# Altium PCB Kasli-DIOT.PCBDOC (part 2 of 21) (continued)
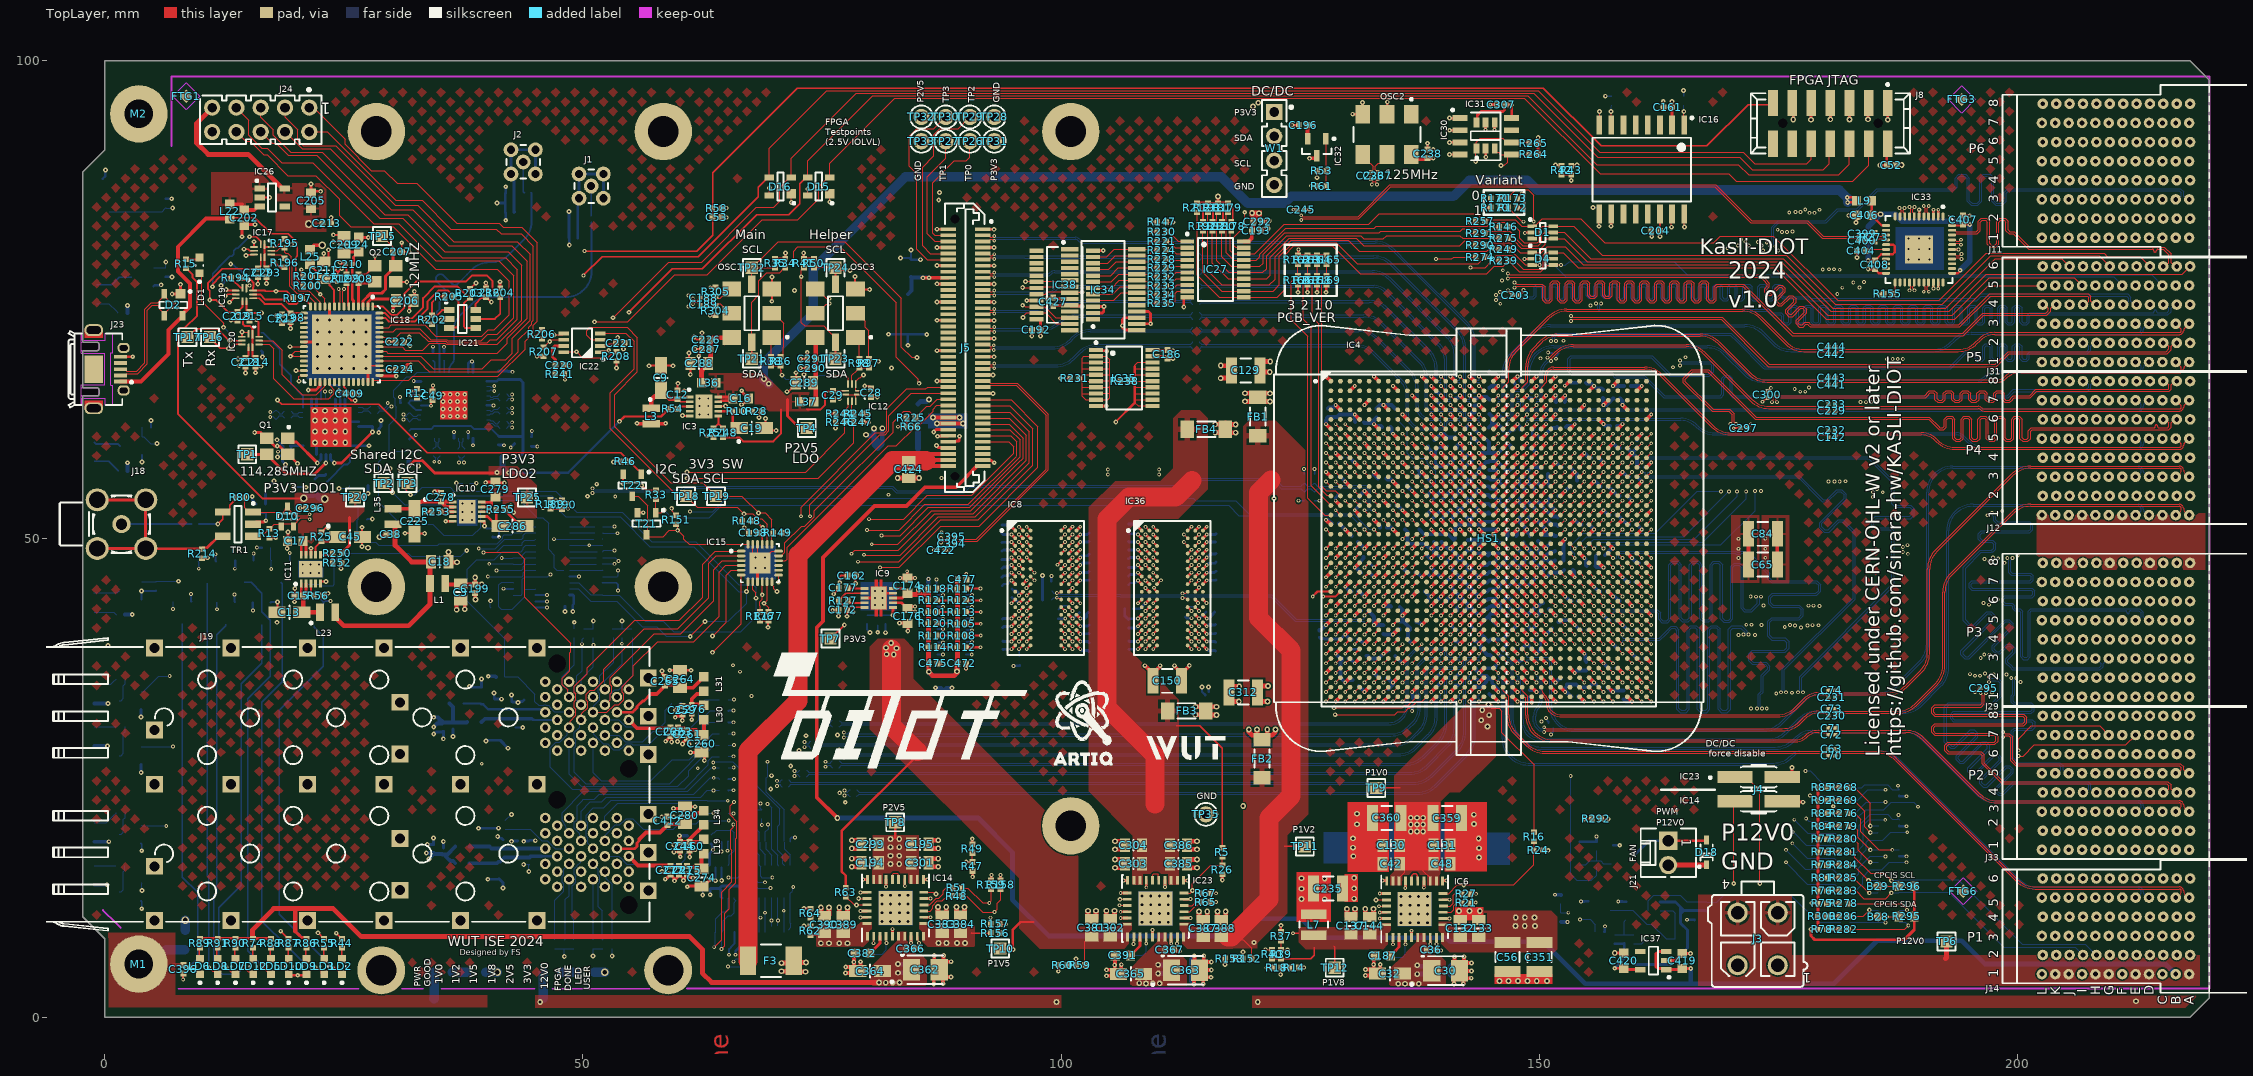
[diagram p0: TopLayer view]
## Components (designator, comment, footprint, x,y, rotation, side; value= is the part's Value field where it differs from the comment) (continued)
C251 "100nF" CAPC0603X33N#1 71.165,24.1 r0 bottom
C252 "100nF" CAPC0603X33N#1 73.025,25.836 r0 bottom
C253 "100nF" CAPC0603X33N#1 73.025,25.136 r0 bottom
C254 "100nF" CAPC0603X33N#1 76.415,31.044 r0 bottom
C255 "100nF" CAPC0603X33N#1 76.415,30.343 r0 bottom
C256 "100nF" CAPC0603X33N#1 76.415,26.796 r0 bottom
C257 "100nF" CAPC0603X33N#1 76.415,26.096 r0 bottom
C258 "100nF" CAPC0603X33N#1 180.575,32.25 r180 bottom
C259 "1uF" CAPC1005X55N 60.4,32.1 r90 top
C260 "10uF" CAPC2012X95N 62.4,28.6 r90 top
C261 "1uF" CAPC1005X55N 60.9,29.6 r90 top
C262 "100nF" CAPC1005X55N 59.15,29.85 r90 top
C263 "100nF" CAPC1005X55N 59.95,29.85 r90 top
C264 "10uF" CAPC2012X95N 60.15,35.35 r270 top
C265 "100nF" CAPC1005X55N 58.6,35.1 r270 top
C266 "100nF" CAPC1005X55N 35.4,17.35 r270 bottom
C267 "1uF" CAPC1005X55N 34.4,17.6 r270 bottom
C268 "10uF" CAPC2012X95N 40.15,18.85 r270 bottom
C269 "1uF" CAPC1005X55N 41.65,18.1 r270 bottom
C270 "100nF" CAPC1005X55N 43.15,18.1 r270 bottom
C271 "100nF" CAPC1005X55N 44.4,18.1 r270 bottom
C272 "10uF" CAPC2012X95N 41.15,15.35 r90 bottom
C273 "100nF" CAPC1005X55N 44.4,16.35 r90 bottom
C274 "10uF" CAPC2012X95N 62.4,14.6 r90 top
C275 "1uF" CAPC1005X55N 60.9,15.35 r90 top
C276 "100nF" CAPC1005X55N 61.374,32.193 r90 top
C277 "100nF" CAPC1005X55N 59.15,15.35 r90 top
C278 "4.7uF" CAPC1005X55N 35.15,54.35 r270 top
C279 "22uF" CAPC1709X100N 40.85,55.175 r270 top
C280 "10uF" CAPC2012X95N 60.65,21.1 r270 top
C281 "100nF" CAPC1005X55N 60.045,15.357 r90 top
C282 "100nF" CAPC0603X33N#1 78.275,27.75 r0 bottom
C283 "100nF" CAPC0603X33N#1 78.275,27.05 r0 bottom
C284 "100nF" CAPC0603X33N#1 78.275,29.847 r0 bottom
C285 "100nF" CAPC0603X33N#1 78.275,29.147 r0 bottom
C286 "22uF" CAPMP3216X180N 42.65,51.35 r0 top
C287 "1nF" CAPC1005X55N 62.9,69.85 r0 top
C288 "4.7uF" CAPC2012X135N 62.15,68.35 r0 top
C289 "4.7uF" CAPC2012X135N 73.15,66.35 r0 top
C290 "1nF" CAPC1005X55N 73.9,67.85 r0 top
C291 "1nF" CAPC1005X55N 73.9,68.85 r0 top
C292 "4.7uF" CAPC1005X55N 120.564,83.188 r180 top
C293 "100nF" CAPC1005X55N 16.925,77.851 r90 top
C295 "100nF" CAPC0603X33N#1 196.475,34.4 r0 top
C296 "100nF" CAPC1005X55N 21.5,53.234 r180 top
C297 "100nF" CAPC0603X33N#1 171.375,61.6 r180 top
C298 "100nF" CAPC1005X55N 37.8,55.85 r180 bottom
C299 "22uF" CAPC2012X135N 80.025,18.075 r0 top
C300 "100nF" CAPC0603X33N#1 173.842,65.102 r270 top
C301 "22uF" CAPC2012X135N 85.225,16.15 r180 top
C302 "22uF" CAPC2012X135N 105.125,9.35 r270 top
C303 "22uF" CAPC2012X135N 107.55,16.05 r0 top
C304 "22uF" CAPC2012X135N 107.55,17.975 r0 top
C305 "100nF" CAPC1005X55N 48.587,43.067 r0 bottom
C306 "100nF" CAPC1005X55N 62.875,13.425 r0 bottom
C307 "100nF" CAPC1005X55N 146.004,95.403 r0 top
C308 "470nF" CAPC0603X33N#1 157.7,41.487 r180 bottom
C309 "470nF" CAPC0603X33N#1 128.7,51.6 r180 bottom
C310 "470nF" CAPC0603X33N#1 128.675,56.5 r0 bottom
C311 "470nF" CAPC0603X33N#1 152.75,57.5 r180 bottom
C312 "100uF" CAPC3225X270N 119.05,33.95 r0 top
C313 "4.7uF" CAPC1005X55N 152.075,48.725 r180 bottom
C314 "4.7uF" CAPC1005X55N 151.925,51.775 r90 bottom
C315 "470nF" CAPC0603X33N#1 134.2,33.95 r270 bottom
C316 "470nF" CAPC0603X33N#1 133.7,35.475 r180 bottom
C317 "470nF" CAPC0603X33N#1 136.8,33 r90 bottom
C318 "470nF" CAPC0603X33N#1 129.7,37.5 r180 bottom
C319 "22uF" CAPC1608X90N 144.775,63.825 r270 bottom
C320 "22uF" CAPC1608X90N 144.702,38.5 r90 bottom
C321 "22uF" CAPC1608X90N 144.75,66.775 r270 bottom
C322 "470nF" CAPC0603X33N#1 143.202,39 r270 bottom
C323 "100nF" CAPC0603X33N#1 147.7,38.5 r180 bottom
C324 "100nF" CAPC0603X33N#1 146.2,38 r270 bottom
C325 "100nF" CAPC0603X33N#1 148.7,40.5 r180 bottom
C326 "100nF" CAPC0603X33N#1 146.7,40.5 r180 bottom
C327 "100nF" CAPC0603X33N#1 143.7,40.5 r0 bottom
C328 "22nF" CAPC0603X33N#1 149,33.85 r90 bottom
C329 "22nF" CAPC0603X33N#1 145.7,36.5 r0 bottom
C330 "22nF" CAPC0603X33N#1 141.7,40.5 r0 bottom
C331 "22nF" CAPC0603X33N#1 141.2,39 r270 bottom
C332 "22uF" CAPC1608X90N 144.7,60.9 r90 bottom
C333 "470nF" CAPC0603X33N#1 141.2,65 r90 bottom
C334 "100nF" CAPC0603X33N#1 139.2,65 r270 bottom
C335 "100nF" CAPC0603X33N#1 146.2,63 r90 bottom
C336 "100nF" CAPC0603X33N#1 143.2,65 r90 bottom
C337 "100nF" CAPC0603X33N#1 143.2,63.6 r90 bottom
C338 "100nF" CAPC0603X33N#1 149.7,61.5 r180 bottom
C339 "22uF" CAPC1608X90N 141.8,49.9 r180 bottom
C340 "470nF" CAPC0603X33N#1 141.7,59.5 r180 bottom
C341 "100nF" CAPC0603X33N#1 146.7,59.5 r0 bottom
C342 "100nF" CAPC0603X33N#1 148.7,59.5 r180 bottom
C343 "100nF" CAPC0603X33N#1 147.697,61.431 r0 bottom
C344 "100nF" CAPC0603X33N#1 141.2,61 r90 bottom
C345 "100nF" CAPC0603X33N#1 142.6,60.5 r0 bottom
C346 "330uF" CAPMP7343X190N 142.525,17.875 r0 bottom
C347 "22nF" CAPC0603X33N#1 149.2,65 r90 bottom
C348 "22nF" CAPC0603X33N#1 147.7,66.5 r180 bottom
C349 "22nF" CAPC0603X33N#1 146.2,61 r90 bottom
C350 "22nF" CAPC0603X33N#1 142.7,61.5 r180 bottom
C351 "100uF" CAPC3225X270N 149.999,6.29 r90 top
C352 "4.7uF" CAPC1005X55N 144.65,47.825 r90 bottom
C353 "470nF" CAPC0603X33N#1 148.709,55.487 r180 bottom
C354 "100nF" CAPC0603X33N#1 148.725,56.5 r180 bottom
C355 "4.7uF" CAPC1005X55N 144.775,56.75 r270 bottom
C356 "4.7uF" CAPC1005X55N 144.775,53.125 r270 bottom
C357 "4.7uF" CAPC1005X55N 139.4,49.7 r0 bottom
C358 "4.7uF" CAPC1005X55N 140.4,60.125 r270 bottom
C359 "100uF" CAPC3225X270N 140.371,20.819 r180 top
C360 "100uF" CAPC3225X270N 134.05,20.825 r0 top
C361 "4.7uF" CAPC1005X55N 144.775,58.6 r270 bottom
C362 "33uF" CAPMP3528X210N 85.8,4.95 r0 top
C363 "33uF" CAPMP3528X210N 113,4.9 r0 top
C364 "10uF" CAPMP3216X180N 80.025,4.825 r180 top
C365 "10uF" CAPMP3216X180N 107.3,4.525 r180 top
C366 "100nF" CAPC1005X55N 84.275,7.175 r180 top
C367 "100nF" CAPC1005X55N 111.375,7.075 r180 top
C368 "470nF" CAPC0603X33N#1 150.7,46.5 r0 bottom
C369 "470nF" CAPC0603X33N#1 149.675,48.525 r0 bottom
C370 "470nF" CAPC0603X33N#1 150.7,51.5 r180 bottom
C371 "470nF" CAPC0603X33N#1 150.7,53.5 r180 bottom
C372 "470nF" CAPC0603X33N#1 150.7,55.5 r180 bottom
C373 "470nF" CAPC0603X33N#1 140.7,58.488 r0 bottom
C374 "470nF" CAPC0603X33N#1 142.7,58.475 r0 bottom
C375 "470nF" CAPC0603X33N#1 147.7,57.475 r180 bottom
C376 "470nF" CAPC0603X33N#1 146.7,55.475 r180 bottom
C377 "470nF" CAPC0603X33N#1 140.7,47.525 r0 bottom
C378 "470nF" CAPC0603X33N#1 140.725,45.5 r0 bottom
C379 "470nF" CAPC0603X33N#1 140.7,43.5 r0 bottom
C380 "470nF" CAPC0603X33N#1 149.7,42.475 r180 bottom
C381 "22uF" CAPC2012X135N 103.2,9.35 r270 top
C382 "1uF" CAPC1608X87N 79.225,6.7 r0 top
C383 "22uF" CAPC2012X135N 87.55,9.725 r270 top
C384 "22uF" CAPC2012X135N 89.475,9.725 r270 top
C385 "22uF" CAPC2012X135N 112.275,16.05 r180 top
C386 "22uF" CAPC2012X135N 112.275,17.975 r180 top
C387 "22uF" CAPC2012X135N 114.85,9.275 r270 top
C388 "22uF" CAPC2012X135N 116.75,9.275 r270 top
C389 "22uF" CAPC2012X135N 77.202,9.685 r270 top
C390 "22uF" CAPC2012X135N 75.252,9.685 r270 top
C391 "1uF" CAPC1608X87N 106.45,6.45 r0 top
C392 "100nF" CAPC0603X33N#1 114.109,70.557 r0 bottom
C393 "100nF" CAPC0603X33N#1 114.109,76.733 r180 bottom
C394 "100nF" CAPC0603X33N#1 88.55,49.503 r180 top
C395 "100nF" CAPC0603X33N#1 88.55,50.221 r180 top
C396 "27pF" CAPC1005X55N 8.225,5 r270 top
C397 "100nF" CAPC1005X55N 158.875,8.139 r270 bottom
C398 "10uF" CAPC3216X180N 162.725,8.175 r180 bottom
C399 "100nF" CAPC0603X33N#1 183.775,81.9 r0 top
C400 "100nF" CAPC0603X33N#1 183.775,81.2 r0 top
C401 "100nF" CAPC0603X33N#1 41.667,61.582 r0 bottom
C402 "100nF" CAPC0603X33N#1 41.667,62.282 r0 bottom
C403 "100nF" CAPC0603X33N#1 114.109,79.149 r0 bottom
C404 "100nF" CAPC1005X55N 183.675,80.125 r0 top
C405 "100nF" CAPC0603X33N#1 114.109,77.605 r180 bottom
C406 "1uF" CAPC1608X87N 183.95,83.85 r0 top
C407 "100nF" CAPC1005X55N 194.3,83.35 r270 top
C408 "100nF" CAPC1005X55N 185.075,78.65 r90 top
C409 "100nF" CAPC1005X55N 25.6,65.2 r180 top
C410 "100nF" CAPC0603X33N#1 180.575,30.225 r180 bottom
C411 "100nF" CAPC0603X33N#1 180.575,29.525 r180 bottom
C412 "100nF" CAPC1005X55N 58.855,20.515 r270 top
C413 "100nF" CAPC0603X33N#1 114.109,79.821 r0 bottom
C414 "100nF" CAPC0603X33N#1 114.109,78.277 r180 bottom
C415 "100nF" CAPC0603X33N#1 114.109,72.973 r0 bottom
C416 "100nF" CAPC0603X33N#1 114.109,80.693 r180 bottom
C417 "100nF" CAPC0603X33N#1 114.109,73.645 r0 bottom
C418 "100nF" CAPC0603X33N#1 114.109,81.365 r180 bottom
C419 "1uF" CAPC1608X87N 164.933,5.877 r270 top
C420 "1uF" CAPC1608X87N 158.81,5.915 r270 top
C421 "100nF" CAPC0603X33N#1 41.672,64.474 r0 bottom
C422 "100nF" CAPC0603X33N#1 87.475,48.825 r180 top
C423 "22uF" CAPC2012X135N 84.3,78.3 r270 bottom
C424 "22uF" CAPC2012X135N 84.075,57.275 r90 top
C425 "22uF" CAPC2012X135N 85.025,63.2 r270 bottom
C427 "100nF" CAPC1005X55N 99.174,74.813 r90 top
C428 "4.7uF" CAPC1005X55N 156.635,65.192 r90 bottom
C429 "4.7uF" CAPC1005X55N 154.4,66.333 r0 bottom
C430 "470nF" CAPC0603X33N#2 159.2,66 r180 bottom
C431 "470nF" CAPC0603X33N#2 157.756,61.81 r180 bottom
C432 "470nF" CAPC0603X33N#2 153.7,33.525 r180 bottom
C433 "470nF" CAPC0603X33N#2 158.089,64.688 r0 bottom
C434 "100nF" CAPC0603X33N#1 180.575,34.175 r180 bottom
C435 "100nF" CAPC0603X33N#1 180.575,60.633 r180 bottom
C436 "100nF" CAPC0603X33N#1 180.575,63.115 r180 bottom
C437 "100nF" CAPC0603X33N#1 180.575,31.525 r180 bottom
C438 "100nF" CAPC0603X33N#1 180.575,33.425 r180 bottom
C439 "100nF" CAPC0603X33N#1 180.575,61.35 r180 bottom
C440 "100nF" CAPC0603X33N#1 180.575,63.825 r180 bottom
C441 "100nF" CAPC0603X33N#1 180.575,66.15 r0 top
C442 "100nF" CAPC0603X33N#1 180.575,69.332 r0 top
C443 "100nF" CAPC0603X33N#1 180.575,66.875 r0 top
C444 "100nF" CAPC0603X33N#1 180.575,70.075 r0 top
C445 "100nF" CAPC0603X33N#1 180.575,66.15 r180 bottom
C446 "100nF" CAPC0603X33N#1 180.575,69.332 r180 bottom
C447 "100nF" CAPC0603X33N#1 180.575,66.875 r180 bottom
C448 "100nF" CAPC0603X33N#1 180.575,70.075 r180 bottom
C449 "100nF" CAPC0603X33N#1 180.575,28.05 r180 bottom
C450 "100nF" CAPC0603X33N#1 180.575,27.325 r180 bottom
C451 "470nF" CAPC1005X55N 116.125,40.598 r90 bottom
C452 "100nF" CAPC1005X55N 93.9,38.875 r90 bottom
C453 "100nF" CAPC1005X55N 102.9,40.55 r90 bottom
C454 "4.7uF" CAPC1005X55N 93.875,41.175 r270 bottom
C455 "470nF" CAPC1005X55N 102.9,38.7 r90 bottom
C456 "470nF" CAPC1005X55N 102.9,47.95 r90 bottom
C457 "100nF" CAPC1005X55N 107.05,41.125 r270 bottom
C458 "100nF" CAPC1005X55N 116.175,48.025 r90 bottom
C459 "470nF" CAPC1005X55N 107.075,38.875 r90 bottom
C460 "470nF" CAPC1005X55N 93.824,51.015 r90 bottom
C461 "100nF" CAPC1005X55N 107.054,51.111 r90 bottom
C462 "10nF" CAPC1005X55N 93.824,47.373 r270 bottom
C463 "10nF" CAPC1005X55N 107.054,47.485 r270 bottom
C464 "10nF" CAPC1005X55N 116.175,46.175 r270 bottom
C465 "470nF" CAPC1005X55N 102.9,46.15 r270 bottom
C466 "470nF" CAPC1005X55N 94.925,44.325 r270 bottom
C467 "100nF" CAPC1005X55N 93.824,49.181 r90 bottom
C468 "10nF" CAPC1005X55N 116.125,38.751 r90 bottom
C469 "10nF" CAPC1005X55N 107.1,42.7 r0 bottom
C470 "10nF" CAPC1005X55N 107.054,49.282 r90 bottom
C471 "4.7uF" CAPC1005X55N 98.525,45.55 r180 bottom
C472 "4.7uF" CAPC1005X55N 89.603,36.991 r180 top
C473 "4.7uF" CAPC1005X55N 86.561,45.052 r180 bottom
C474 "100nF" CAPC1005X55N 86.616,36.981 r180 bottom
C475 "100nF" CAPC1005X55N 86.616,36.981 r180 top
C476 "100nF" CAPC1005X55N 89.64,45.762 r180 bottom
C477 "100nF" CAPC1005X55N 89.64,45.762 r180 top
C478 "100nF" CAPC1005X55N 89.604,36.991 r180 bottom
C479 "100nF" CAPC0603X33N#1 41.672,65.187 r0 bottom
C480 "4.7uF" CAPC1005X55N 134.943,42.911 r180 bottom
C481 "4.7uF" CAPC1005X55N 133.7,40.526 r270 bottom
C482 "470nF" CAPC0603X33N#2 131.71,46.5 r0 bottom
C483 "470nF" CAPC0603X33N#2 135.396,40.938 r270 bottom
C484 "470nF" CAPC0603X33N#2 127,40.075 r90 bottom
C485 "470nF" CAPC0603X33N#2 137.658,44.515 r180 bottom
D1 "PESD3V3L5UY" SOT65P210X110-6N 150.35,82.05 r0 top
D2 "PRTR5V0U2X" SOT190P230X110-4N 7.172,74.473 r270 top
D3 "PESD3V3L5UY" SOT65P210X110-6N 186.525,10.55 r180 bottom
D4 "PESD3V3L5UY" SOT65P210X110-6N 150.35,79.3 r0 top
D5 "PESD3V3L5UY" SOT65P210X110-6N 186.525,13.695 r180 bottom
D6 "PESD3V3L5UY" SOT65P210X110-6N 186.525,23.132 r180 bottom
D7 "PESD3V3L5UY" SOT65P210X110-6N 186.525,16.841 r180 bottom
D8 "PESD3V3L5UY" SOT65P210X110-6N 186.525,19.986 r180 bottom
D10 "BAV99W" SOT65P210X110-3N 19.095,52.35 r90 top
D15 "PRTR5V0U2X" SOT190P230X110-4N 74.65,86.85 r180 top
D16 "PRTR5V0U2X" SOT190P230X110-4N 70.65,86.85 r180 top
D17 "BAT165" SOD2512X110N 154.225,17.05 r270 bottom
D18 "BAT165" SOD2512X110N 167.475,17.225 r90 top
F1 "1.1A-16V" FUSR_BOURNS_MF-MSMF_STYLE1(H85) 83.973,73.491 r90 bottom
F3 "2.5A-16V" FUSR_BOURNS_MF-MSMF_STYLE2 69.65,5.9 r180 top
F4 "1.1A-16V" FUSR_BOURNS_MF-MSMF_STYLE1(H85) 82.925,59.45 r0 bottom
FB1 "60R@100MHz" INDC4516X180N 120.55,62.8 r90 top
FB2 "60R@100MHz" INDC4516X180N 121,27.025 r90 top
FB3 "60R@100MHz" INDC4516X180N 113.125,32.025 r0 top
FB4 "60R@100MHz" INDC4516X180N 115.175,61.475 r0 top
FTG1 "Use only in PCB" FIDUCIAL_TOP_S100-200 8.5,96.3 r90 top
FTG2 "Use only in PCB" FIDUCIAL_TOP_S100-200 187.9,5.1 r90 bottom
FTG3 "Use only in PCB" FIDUCIAL_TOP_S100-200 194.15,95.95 r90 top
FTG4 "Use only in PCB" FIDUCIAL_TOP_S100-200 8.5,96.3 r90 bottom
FTG5 "Use only in PCB" FIDUCIAL_TOP_S100-200 194.15,95.95 r90 bottom
FTG6 "Use only in PCB" FIDUCIAL_TOP_S100-200 194.3,13.15 r90 top
HS1 "Heat Sink No Pad" HSINK_ATS_ATS-50350B-C1-R0 144.7,50.05 r180 top
IC1 "SI53312-B-GM" QFN50P700X700X90-45N-S295 36.5,63.978 r90 bottom locked
IC2 "Si5324C-C-GM" QFN50P600X600X90-37N-S425 23.622,61.749 r90 bottom locked
IC3 "LT3045EDD#PBF" SON50P300X300X80-11N-R175X248 62.65,63.85 r0 top
IC4 "XC7A200T-3FFG1156C" BGA1156C100P34X34_3500X3500X310 144.7,50 r0 top locked
IC6 "MPM54304GMN-0002" MPS_MPM54304GMN 136.962,11.292 r180 top
IC8 "MT41K256M16TW-107:P" BGA96C80P9X16_800X1400X120 98.4,44.875 r0 top locked
IC9 "TPS51200DRCT" "TEXAS_DRC (S-PVSON-N10)" 80.919,43.825 r180 top
IC10 "LT3045EDD#PBF" SON50P300X300X80-11N-R175X248 37.9,52.85 r0 top
IC11 "LT3045EDD#PBF" SON50P300X300X80-11N-R175X248 21.55,46.837 r90 top
IC12 "SN74AVC2T245RSWR" QFN40P140X180X55-10N 78.125,65.3 r180 top
IC14 "MPM54304GMN-0002" MPS_MPM54304GMN 82.675,11.425 r180 top
IC15 "TCA9548ARGER" QFN50P400X400X100-25N-S220 68.5,47.479 r0 top
IC16 "S25FL128SAGMFIR01" SOIC127P1030X265-16N 160.7,88.625 r270 top
IC17 "SN74AVC2T245RSWR" QFN40P140X180X55-10N 16.51,80.137 r270 top
IC18 "FT4232H-56Q" QFN50P800X800X100-57N-S620 24.765,70.358 r270 top locked
IC19 "SN74AVC2T245RSWR" QFN40P140X180X55-10N 14.605,75.565 r270 top
IC20 "SN74AVC2T245RSWR" QFN40P140X180X55-10N 15.24,70.739 r270 top
IC21 "93LC56B-I/OT" SOT95P270X145-6N 37.4,73 r0 top
IC22 "PCA9306DCTR" SOP65P400X130-8N 49.9,70.5 r180 top
IC23 "MPM54304GMN-0002" MPS_MPM54304GMN 109.875,11.35 r180 top locked
IC24 "MCP23017-E/SS" SOP65P780X200-28N 67.45,12.4 r90 bottom
IC25 "MCP23017-E/SS" SOP65P780X200-28N 48.547,47.05 r180 bottom
IC26 "MIC5219-3.3YM5" SOT95P280X145-5N 17.5,85.7 r0 top
IC27 "74LVC245APW" SOP65P640X110-20N 116.136,78.186 r0 top
IC28 "PCA9539APW" SOP65P640X110-24N 68.1,15.425 r270 bottom
IC29 "PCA9539APW" SOP65P640X110-24N 45.647,47.7 r0 bottom
IC30 "24AA025E48T-I/OT" SOT95P280X145-6N 144.375,92.175 r90 top
IC31 "24AA025E48-I/SN" SOIC127P600X175-8N 144.4,92.1 r0 top
IC32 "MCP121T-240E/TT" SOT-23-TT3_L 126.725,90.95 r270 top
IC33 "SI53312-B-GM" QFN50P700X700X90-45N-S295 189.7,80.275 r270 top
IC34 "MCP23017-E/SS" SOP65P780X200-28N 104.386,76.061 r0 top
IC35 "74LVC245APW" SOP65P640X110-20N 106.6,66.829 r0 top
IC36 "MT41K256M16TW-107:P" BGA96C80P9X16_800X1400X120 111.625,44.875 r0 top locked
IC37 "NCP114ASN330T" SOT95P280X100-5N 161.91,5.915 r180 top
IC38 "PCA9539APW" SOP65P640X110-24N 100.386,76.561 r180 top
J1 "MMCX-J-P-H-ST-TH1" SAMTEC_MMCX-J-P-H-ST-TH1 50.859,86.896 r270 top
J2 "MMCX-J-P-H-ST-TH1" SAMTEC_MMCX-J-P-H-ST-TH1 43.754,89.421 r90 top
J3 "Mini-Fit Jr.™" MOLEX_39-28-1043 172.825,8.175 r180 top locked
J4 "Header 2" SAMTEC_TSM-102-01-L-DV 172.922,23.84 r270 top
J5 "" SAMTEC_LSS-140-01-L-DV-A 90,70 r90 top locked
J8 "Milli-Grid™" MOLEX_87832-1420 180.425,93.45 r180 top
J11 "P6" AMPHENOL_10052838-101LF 210.289,88.5 r90 top locked
J12 "P4" AMPHENOL_10052837-101LF 210.289,59.5 r90 top locked
J14 "P1" AMPHENOL_10052825-101LF 210.289,9.5 r90 top locked
J18 "MCX" AMPHENOL_919-383J-51A 1.75,51.55 r180 top
J19 "SFP" AMPHENOL_UE78B212700321 51.05,24.355 r0 top locked
J21 "KK®" MOLEX_22-27-2021 163.475,17.175 r270 top
J23 "Micro-USB AB 2.0" HIROSE_ZX62RD-AB-5P8 1.65,67.75 r270 top locked
J24 "Header 10" SAMTEC_TSW-105-07-L-D-LL 16.307,93.828 r180 top
J29 "P3" AMPHENOL_10052837-101LF 210.289,40.5 r90 top locked
J31 "P5" AMPHENOL_10052824-101LF 210.289,73.5 r90 top locked
J33 "P2" AMPHENOL_10052837-101LF 210.289,24.5 r90 top locked
L1 "2.2uH" IND_WURTH_WE-PMCI_0806LR 34.807,45.343 r180 top
L2 "120R@100MHz" INDC1608X65N 21.971,55.526 r270 bottom
L3 "2.2uH" IND_WURTH_WE-PMCI_0806LR 57.15,62.85 r90 top
L4 "120R@100MHz" INDC1608X65N 136.7,51 r0 bottom
L5 "120R@100MHz" INDC1608X65N 144.75,49.9 r180 bottom
L7 "1uH" IND_BOURNS_SRN3015 126.406,9.684 r90 top
L9 "120R@100MHz" INDC1608X95N 183.943,85.349 r180 top
L19 "120R@100MHz" INDC1608X65N 62.65,17.85 r270 top
L20 "120R@100MHz" INDC1608X65N 36.8,32.8 r0 bottom
L21 "120R@100MHz" INDC1608X65N 38.65,30.85 r0 bottom
L22 "120R@100MHz" INDC1608X65N 13.051,84.24 r90 top
L23 "2.2uH" IND_WURTH_WE-PMCI_0806LR 23.3,42.337 r180 top
L24 "120R@100MHz" INDC1608X65N 26.543,80.772 r270 top
L25 "120R@100MHz" INDC1608X65N 21.463,79.502 r270 top
L29 "120R@100MHz" INDC1608X65N 42.45,58.45 r180 bottom
L30 "120R@100MHz" INDC1608X65N 62.65,31.85 r270 top
L31 "120R@100MHz" INDC1608X65N 62.65,34.85 r90 top
L32 "120R@100MHz" INDC1608X65N 37.4,17.85 r0 bottom
L33 "120R@100MHz" INDC1608X65N 37.4,16.1 r0 bottom
L34 "120R@100MHz" INDC1608X65N 62.65,20.85 r90 top
L35 "2.2uH" IND_WURTH_WE-PMCI_0806LR 30.15,52.35 r90 top
L36 "120R@100MHz" INDC1608X65N 63.15,66.35 r180 top
L37 "120R@100MHz" INDC1608X65N 73.4,64.35 r0 top
LD1 "Green" LED_KINGBRIGHT_KPH-1608CGCK 9.9,78.6 r90 top
LD2 "Green" LED_KINGBRIGHT_KPH-1608CGCK 24.8,5.3 r90 top
LD3 "Green" LED_KINGBRIGHT_KPH-1608CGCK 22.944,5.3 r90 top
LD5 "Green" LED_KINGBRIGHT_KPH-1608CGCK 17.378,5.3 r90 top
LD6 "Green" LED_KINGBRIGHT_KPH-1608CGCK 9.956,5.3 r90 top
LD7 "Green" LED_KINGBRIGHT_KPH-1608CGCK 13.667,5.3 r90 top
LD8 "Green" LED_KINGBRIGHT_KPH-1608CGCK 11.811,5.3 r90 top
LD9 "Green" LED_KINGBRIGHT_KPH-1608CGCK 21.089,5.3 r90 top
LD10 "Green" LED_KINGBRIGHT_KPH-1608CGCK 19.233,5.3 r90 top
LD11 "Green" LED_AVAGO_HSME-C120 -1.1,33.8 r270 bottom
LD12 "Green" LED_KINGBRIGHT_KPH-1608CGCK 15.522,5.3 r90 top
LD13 "Green" LED_AVAGO_HSME-C120 -1.1,59.1 r270 bottom
LD14 "Red" LED_AVAGO_HSMC-C120 -0.85,75.6 r270 bottom
LD15 "Green" LED_AVAGO_HSME-C120 -1.1,29.35 r270 bottom
LD16 "Green" LED_AVAGO_HSME-C120 -1.1,19.35 r270 bottom
LD17 "Green" LED_AVAGO_HSME-C120 -1.1,14.85 r270 bottom
LD18 "Green" LED_AVAGO_HSME-C120 -1.1,43.35 r270 bottom
M1 "Plated Hole" MTG300_600#1 170.1,6.7 r90 top
M2 "Plated Hole" MTG300_600#2 165.35,105.7 r90 top
OSC1 "0.2-800MHz" OSC_SILICON-LAB_SI549-A 67.65,73.6 r180 top
OSC2 "125MHz" OSC_SILICON-LAB_SI510-6N 134.072,92.3 r270 top
OSC3 "0.2-800MHz" OSC_SILICON-LAB_SI549-A 76.4,73.6 r180 top
Plate1 "Cover SFP" AMPHENOL_U77A11108000P -70.5,56.1 r0 top
Plate2 "Cover SFP" AMPHENOL_U77A11108000P -71.25,6.6 r0 top
Plate3 "Cover SFP" AMPHENOL_U77A11108000P -70.75,39.6 r0 top
Plate4 "Cover SFP" AMPHENOL_U77A11108000P -71,22.85 r0 top
Q1 "114.285MHZ" XTAL_CONNOR_CS 18.034,59.69 r270 top
Q2 "12MHZ" XTAL_TXC_7M 29.337,77.724 r270 top value=12MHz
R1 "10k" RESC1005X40N 125.429,56.313 r270 bottom
R2 "10k" RESC1005X40N 126.47,56.313 r270 bottom
R3 "100" RESC1005X40N 17.909,63.005 r270 bottom
R4 "10k" RESC1005X40N 31.4,64.225 r180 bottom
R5 "10k" RESC1005X40N 116.85,17.25 r90 top
R6 "100" RESC1005X40N 31.875,62.745 r90 bottom
R7 "49R9" RESC1005X40N 35.55,69.1 r90 bottom
R8 "49R9" RESC1005X40N 34.325,69.1 r90 bottom
R9 "68" RESC1005X40N 129.5,54.7 r0 bottom
R10 "24k" RESC1005X40N 66.15,63.35 r180 top
R11 "240" RESC1005X40N 1.9,57.1 r0 bottom
R12 "100" RESC1005X40N 32.641,65.258 r90 top
R13 "0" RESC1005X40N 17.221,50.603 r90 top
R14 "20k" RESC1005X40N 124.35,5.175 r0 top
R15 "1k" RESC1005X40N 8.494,78.766 r270 top
R16 "10k" RESC1005X40N 149.442,18.855 r90 top
R17 "4k7" RESC1005X40N 23.15,66.075 r180 bottom
R18 "10k" RESC1005X40N 122.525,5.175 r0 top
R19 "2k2" RESC1005X40N 4.375,61.675 r180 bottom
R20 "240" RESC1005X40N 1.9,73.6 r0 bottom
R21 "0" RESC1005X40N 142.33,11.954 r180 top
R22 "200" RESC1005X40N 23.241,55.526 r90 bottom
R23 "2k2" RESC1005X40N 6.35,77.875 r90 bottom
R24 "15k" RESC1005X40N 149.892,17.455 r180 top
R25 "33k" RESC1005X40N 22.65,50.225 r270 top
R26 "15k" RESC1005X40N 116.85,15.4 r90 top
R27 "0" RESC1005X40N 142.33,12.886 r180 top
R28 "1k" RESC1005X40N 68.15,63.35 r180 top
R29 "0" RESC1005X40N 49,82.475 r0 bottom
R30 "0" RESC1005X40N 42.325,85.125 r0 bottom
R31 "10k" RESC1005X40N 152.25,12.305 r90 bottom
R32 "15k" RESC1005X40N 152.25,10.455 r90 bottom
R33 "10k" RESC1005X40N 57.65,54.6 r270 top
R34 "2k2" RESC1005X40N 71.15,78.85 r90 top
R35 "2k2" RESC1005X40N 70.1,78.85 r90 top
R36 "0" RESC1005X40N 70.675,68.575 r90 top
R37 "7k5" RESC1005X40N 122.986,8.455 r270 top
R38 "0" RESC1005X40N 69.675,68.575 r270 top
R39 "15k" RESC1005X40N 122.986,6.58 r270 top
R40 "10k" RESC1005X40N 122.054,6.592 r270 top
R41 "2k2" RESC1005X40N 73.1,78.85 r90 top
R42 "1k" RESC1005X40N 152.333,88.545 r90 top
R43 "1k" RESC1005X40N 153.333,88.545 r270 top
R44 "1k" RESC1005X40N 24.8,7.747 r90 top
R45 "2k2" RESC1005X40N 21.5,44.55 r180 bottom
R46 "10k" RESC1005X40N 54.4,58.1 r0 top
R47 "7k5" RESC1005X40N 90.725,15.755 r90 top
R48 "0" RESC1005X40N 89.1,12.65 r180 top
R49 "24k" RESC1005X40N 90.725,17.63 r90 top
R50 "2k2" RESC1005X40N 74.15,78.85 r90 top
R51 "0" RESC1005X40N 89.15,13.525 r180 top
R52 "1k" RESC1005X40N 134.9,63.175 r270 bottom
R53 "0" RESC1005X40N 127.23,88.475 r180 top
R54 "0" RESC1005X40N 59.4,63.6 r0 top
R55 "1k" RESC1005X40N 22.944,7.747 r90 top
R56 "0" RESC1005X40N 22.301,44.088 r180 top
R57 "300" RESC1005X40N 16.9,49.075 r180 bottom
R58 "10k" RESC1005X40N 64,84.575 r0 top
R59 "15k" RESC1005X40N 102.02,5.447 r0 top
R60 "10k" RESC1005X40N 100.185,5.446 r0 top
R61 "1k" RESC1005X40N 127.225,86.9 r180 top
R62 "68k" RESC1005X40N 73.777,9.03 r270 top
R63 "10k" RESC1005X40N 77.475,13.075 r90 top
R64 "15k" RESC1005X40N 73.777,10.855 r270 top
R65 "0" RESC1005X40N 115.13,12.033 r180 top
R66 "10k" RESC1005X40N 84.3,61.75 r180 top
R67 "0" RESC1005X40N 115.13,12.961 r180 top
R68 "1M1" RESC2012X60N 8.41,8.079 r90 bottom
R69 "4M7" RESC2113X55N 46.8,4.7 r0 bottom
R70 "4M7" RESC2113X55N 50.25,4.7 r0 bottom
R71 "4M7" RESC2113X55N 38.863,4.7 r180 bottom
R72 "4M7" RESC2113X55N 35.4,4.7 r180 bottom
R73 "4k7" RESC1005X40N 179.595,17.281 r180 top
R74 "10k" RESC1005X40N 15.522,7.747 r90 top
R75 "10k" RESC1005X40N 179.595,11.888 r180 top
R76 "10k" RESC1005X40N 179.595,13.236 r180 top
R77 "10k" RESC1005X40N 179.595,18.629 r180 top
R78 "10k" RESC1005X40N 179.595,9.191 r180 top
R79 "10k" RESC1005X40N 179.595,15.933 r180 top
R80 "0" RESC1005X40N 14.15,54.35 r0 top
R81 "10k" RESC1005X40N 179.595,14.584 r180 top
R82 "0" RESC1005X40N 67.625,21.21 r90 bottom
R83 "4k7" RESC1005X40N 179.595,21.326 r180 top
R84 "4k7" RESC1005X40N 179.595,19.978 r180 top
R85 "10k" RESC1005X40N 179.595,24.023 r180 top
R86 "10k" RESC1005X40N 21.089,7.747 r90 top
R87 "1k" RESC1005X40N 19.233,7.747 r90 top
R88 "10k" RESC1005X40N 17.378,7.747 r90 top
R89 "10k" RESC1005X40N 9.956,7.747 r90 top
R90 "10k" RESC1005X40N 13.667,7.747 r90 top
R91 "10k" RESC1005X40N 11.811,7.747 r90 top
R92 "10k" RESC1005X40N 179.595,22.674 r180 top
R93 "210k" RESC1005X40N 157.9,8.139 r270 bottom
R94 "2k2" RESC1005X40N 165.1,95.825 r90 bottom
R95 "2k2" RESC1005X40N 157.55,95.825 r90 bottom
R96 "2k2" RESC1005X40N 156.2,84.2 r90 bottom
R97 "0" RESC1005X40N 79.9,68.35 r90 top
R98 "0" RESC1005X40N 78.9,68.35 r270 top
R99 "240" RESC1005X40N 99.675,42.15 r90 bottom
R100 "240" RESC1005X40N 113,42.325 r90 bottom
R101 "39" RESC1005X40N 86.58,42.356 r180 top
R102 "39" RESC1005X40N 89.62,40.451 r180 bottom
R103 "39" RESC1005X40N 86.58,39.175 r180 bottom
R104 "39" RESC1005X40N 89.62,41.678 r180 bottom
R105 "39" RESC1005X40N 89.62,41.13 r180 top
R106 "39" RESC1005X40N 86.555,40.582 r180 bottom
R107 "39" RESC1005X40N 89.613,39.225 r180 bottom
R108 "39" RESC1005X40N 89.62,39.903 r180 top
R109 "39" RESC1005X40N 89.6,37.93 r180 bottom
R110 "39" RESC1005X40N 86.58,39.903 r180 top
R111 "39" RESC1005X40N 86.58,44.155 r180 bottom
R112 "39" RESC1005X40N 89.6,38.676 r180 top
R113 "39" RESC1005X40N 89.62,42.356 r180 top
R114 "39" RESC1005X40N 86.6,38.676 r180 top
R115 "39" RESC1005X40N 86.58,37.93 r180 bottom
R116 "39" RESC1005X40N 86.58,41.665 r180 bottom
R117 "39" RESC1005X40N 89.6,44.81 r180 top
R118 "39" RESC1005X40N 86.58,44.81 r180 top
R119 "39" RESC1005X40N 86.58,42.91 r180 bottom
R120 "39" RESC1005X40N 86.561,41.188 r180 top
R121 "39" RESC1005X40N 86.58,43.583 r180 top
R122 "39" RESC1005X40N 89.62,42.905 r180 bottom
R123 "39" RESC1005X40N 89.62,43.583 r180 top
R124 "39" RESC1005X40N 89.62,44.132 r180 bottom
R125 "4k7" RESC1005X40N 95.675,37.25 r270 bottom
R126 "39" RESC1005X40N 98.525,44.575 r180 bottom
R127 "10k" RESC1005X40N 77.194,43.55 r180 top
R128 "10k" RESC1005X40N 79.719,41.6 r90 bottom
R129 "10k" RESC1005X40N 80.644,41.6 r90 bottom
R130 "10k" RESC1005X40N 51.086,40.145 r270 bottom
R131 "0" RESC1005X40N 63.402,18.579 r90 bottom
R132 "0" RESC1005X40N 40.829,42.825 r0 bottom
R133 "10k" RESC1005X40N 54.086,40.145 r90 bottom
R134 "10k" RESC1005X40N 64.745,28.454 r0 bottom
R135 "10k" RESC1005X40N 64.745,33.206 r0 bottom
R136 "10k" RESC1005X40N 59.755,32.8 r0 bottom
R137 "10k" RESC1005X40N 41.37,35.57 r180 bottom
R138 "10k" RESC1005X40N 49.086,40.145 r90 bottom
R139 "10k" RESC1005X40N 16.8,53.2 r270 bottom
R140 "10k" RESC1005X40N 64.745,32.018 r180 bottom
R141 "10k" RESC1005X40N 64.745,30.83 r180 bottom
R142 "240" RESC1005X40N 1.65,30.35 r180 bottom
R143 "240" RESC1005X40N 1.65,35.35 r180 bottom
R144 "10k" RESC1005X40N 48.052,7.605 r270 bottom
R145 "10k" RESC1005X40N 64.745,26.078 r0 bottom
R146 "0" RESC1005X40N 146.294,82.642 r0 top
R147 "1k" RESC1005X40N 110.522,83.143 r0 top
R148 "2k2" RESC1005X40N 67.14,51.891 r0 top
R149 "2k2" RESC1005X40N 70.381,50.634 r0 top
R150 "10k" RESC1005X40N 155.975,17.875 r90 bottom
R151 "10k" RESC1005X40N 59.746,51.997 r90 top
R152 "10k" RESC1005X40N 119.455,6.126 r0 top
R153 "10k" RESC1005X40N 117.63,6.126 r0 top
R154 "10k" RESC1005X40N 15.8,53.2 r90 bottom
R155 "10k" RESC1005X40N 186.45,75.625 r0 top
R156 "11k" RESC1005X40N 93.1,8.8 r180 top
R157 "1k5" RESC1005X40N 93.125,9.75 r0 top
R158 "10k" RESC1005X40N 93.669,13.855 r90 top
R159 "10k" RESC1005X40N 92.675,13.855 r90 top
R160 "100" RESC0603X28N 149.7,39.5 r0 bottom
R161 "100" RESC0603X28N 149.7,60.5 r180 bottom
R162 "10k" RESC1005X40N 124.76,79.195 r90 top
R163 "10k" RESC1005X40N 125.76,79.195 r90 top
R164 "10k" RESC1005X40N 126.76,79.195 r90 top
R165 "10k" RESC1005X40N 127.76,79.195 r90 top